# Altium PCB GameBoard_V1I1.PcbDoc (part 6 of 22)
Units mil, origin at the board's own origin, x right, y up, seen from the top; angles counter-clockwise.
Board outline 7165.35 x 2814.96 mil, 12 copper layers (L1, L2, L3, L4, L5 (PWR), L6 (PWR), L7 (PWR), L8 (PWR), L9, L10, L11, L12), stack 61.575 mil thick; 1551 components, 1072 nets, 5467 pads, 3785 vias.
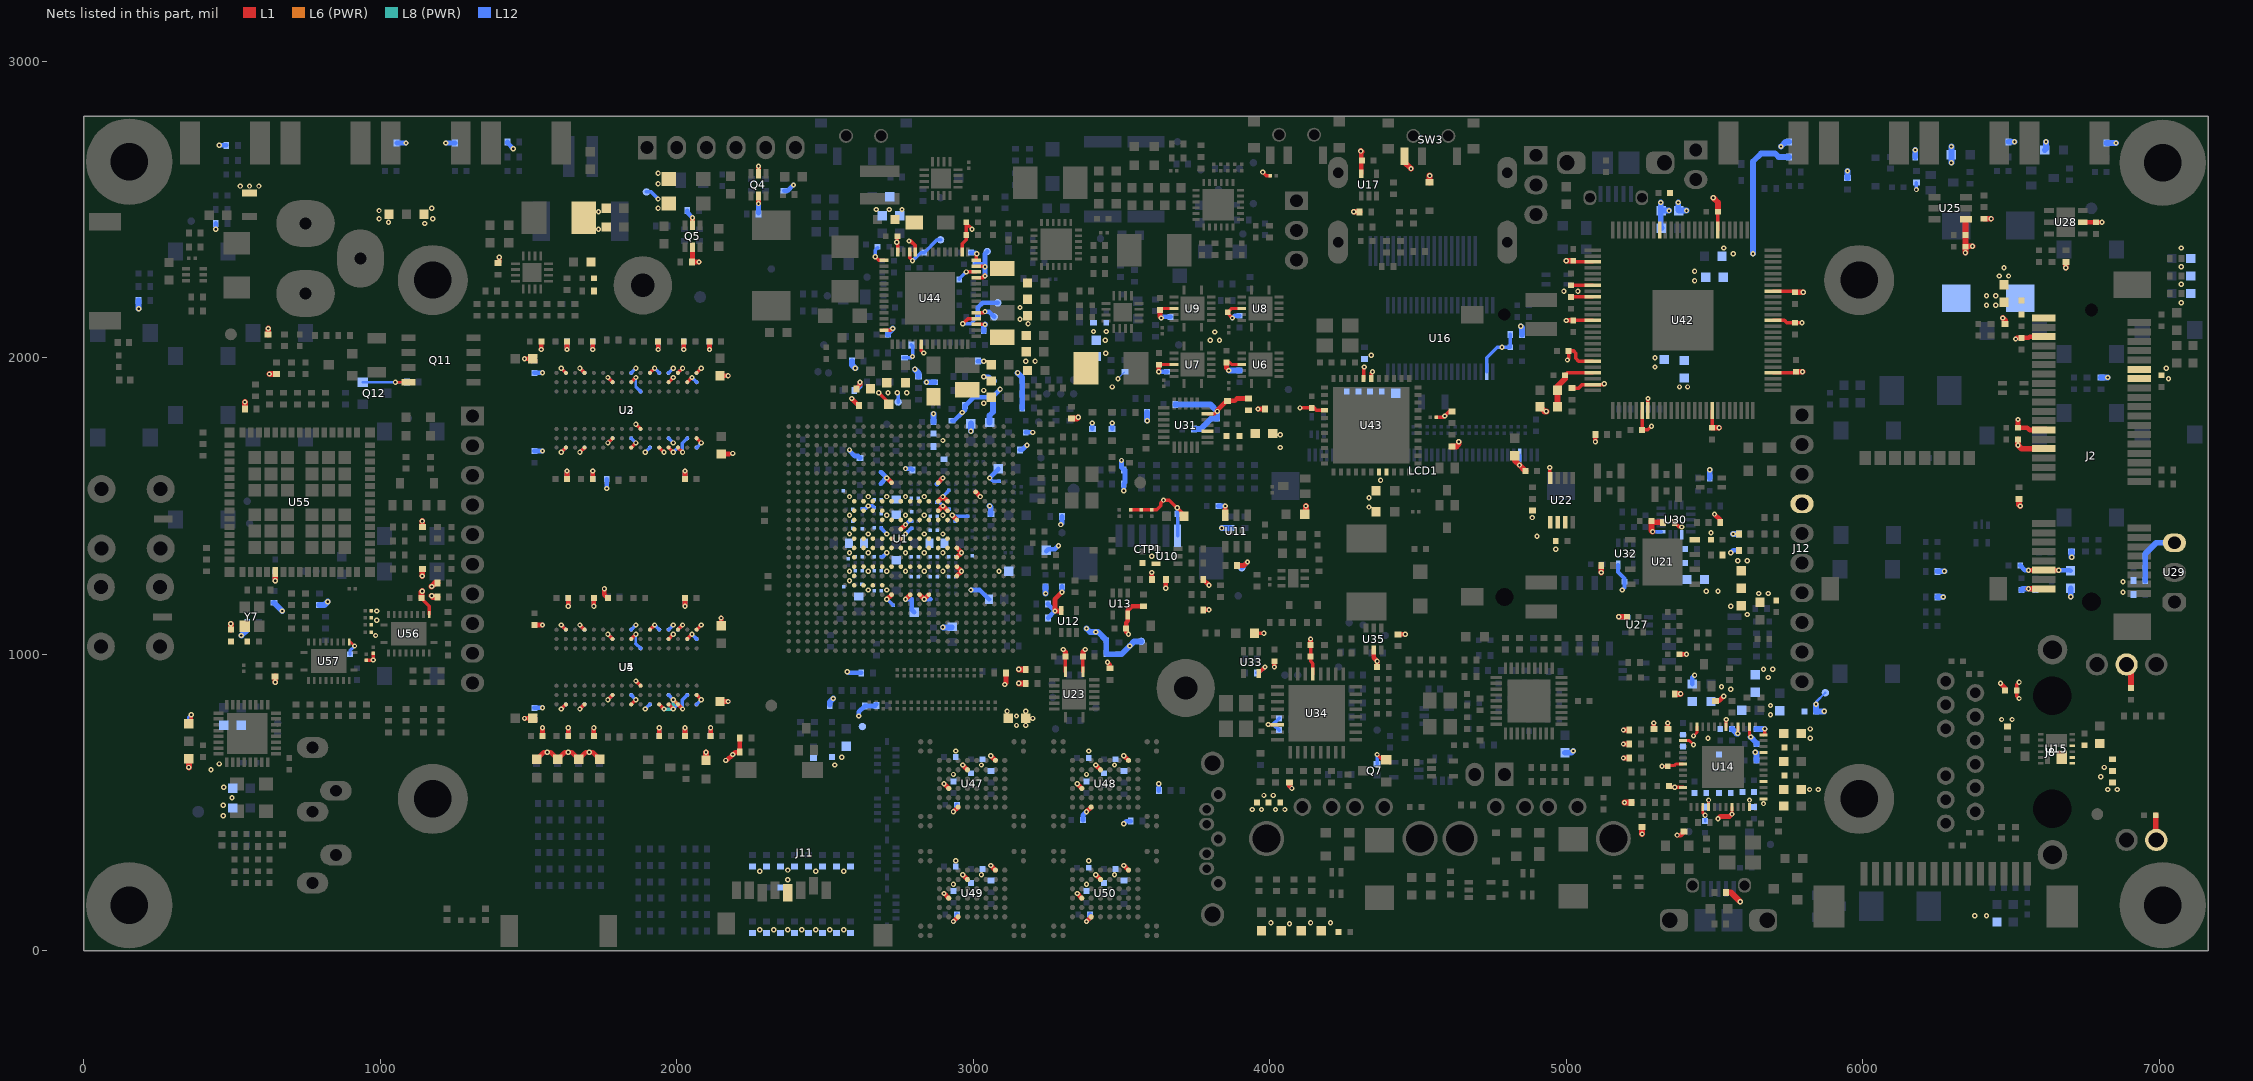
[diagram p16: the nets of this part, all layers, seen from the top]

## Part data (continued)
U20: "IC AUDIO CODEC STEREO 32-QFN", Manufacturer="Freescale Semiconductor", Operating Temperature="-40°C ~ 85°C", Package / Case="32-VFQFN Exposed Pad", Supplier Device Package="32-QFN Exposed Pad (5x5)", Supplier Part Number 1=SGTL5000XNAA3R2CT-ND, Voltage - Supply, Analog="1.62 V ~ 3.6 V", Voltage - Supply, Digital="1.1 V ~ 2 V, 1.62 V ~ 3.6 V", .Checked PCB=used, .Checked SCH=used, .Creator=MM, Category="Integrated Circuits (ICs)", ComponentLink1Description=http://cache.freescale.com/files/analog/doc/data_sheet/SGTL5000.pdf, ComponentLink1URL=http://cache.freescale.com/files/analog/doc/data_sheet/SGTL5000.pdf, Data Interface="I²C, Serial, SPI™", Dynamic Range, ADCs / DACs (db) Typ=-, Manufacturer Part Number=SGTL5000XNAA3R2, Mounting Type="Surface Mount", Number of ADCs / DACs="1 / 1", Packaging="Cut Tape (CT)", Pricing 1="1=2.66, 10=2.375, 25=2.2324, 100=2.1375, 250=2.04252, 500=1.9, 1000=1.8525 (USD)", Resolution (Bits)=-, RoHS="RoHS Compliant", S/N Ratio, ADCs / DACs (db) Typ="90 / 100", Sigma Delta=No, Stock 1=0, Supplier 1=Digi-Key, Type="Stereo Audio"
U21: "IC FLASH 32MBIT", Manufacturer="Microchip Technology", Operating Temperature="-40°C ~ 85°C", Package / Case="8-WDFN Exposed Pad", Supplier Device Package="8-WDFN (5x6)", Supplier Part Number 1=SST26VF032B-104I/MF-ND, Voltage - Supply="2.7 V ~ 3.6 V", .Checked PCB=used, .Checked SCH=used, .Creator=MM, Category="Integrated Circuits (ICs)", ComponentLink1Description=http://www.microchip.com/mymicrochip/filehandler.aspx?ddocname=en566514, ComponentLink1URL=http://www.microchip.com/mymicrochip/filehandler.aspx?ddocname=en566514, Format - Memory=FLASH, Interface="SQI, SPI", Manufacturer Part Number=SST26VF032B-104I/MF, Memory Size="32M (4M x 8)", Memory Type=FLASH, Packaging=Tube, Pricing 1="1=1.68, 25=1.62, 100=1.56 (USD)", RoHS="RoHS Compliant", Speed=104MHz, Stock 1=417, Supplier 1=Digi-Key
U22: "IC EEPROM 2KBIT 400KHZ 8MSOP", Manufacturer="Rohm Semiconductor", Operating Temperature="-40°C ~ 85°C", Package / Case="8-VSSOP, 8-MSOP (0.110\", 2.80mm Width)", Supplier Device Package=8-MSOP, Supplier Part Number 1=BR24L02FVM-WCT-ND, Voltage - Supply="1.8 V ~ 5.5 V", .Checked PCB=used, .Checked SCH=used, Category="Integrated Circuits (ICs)", ComponentLink1Description=http://www.rohm.com/products/databook/eeprom/pdf/br24l-e.pdf, ComponentLink1URL=http://www.rohm.com/products/databook/eeprom/pdf/br24l-e.pdf, Format - Memory="EEPROMs - Serial", Interface="I²C, 2-Wire Serial", Manufacturer Part Number=BR24L02FVM-WTR, Memory Size="2K (256 x 8)", Memory Type=EEPROM, Packaging="Cut Tape (CT)", Pricing 1="1=0.78, 25=0.602, 100=0.531, 250=0.4602, 500=0.3894, 1000=0.30975 (USD)", RoHS="RoHS Compliant", Speed=400kHz, Stock 1=19923, Supplier 1=Digi-Key
U23: "IC BUS TRANSCVR 4BIT 16QFN", Manufacturer="Texas Instruments", Operating Temperature="-40°C ~ 85°C", Package / Case="16-VFQFN Exposed Pad", Supplier Device Package="16-VQFN (4x4)", Supplier Part Number 1=296-18231-1-ND, Voltage - Supply="1.2 V ~ 3.6 V", .Checked PCB=used, .Checked SCH=used, .Creator=MM, Category="Integrated Circuits (ICs)", ComponentLink1Description=http://www.ti.com/lit/ds/symlink/sn74avc4t245.pdf, ComponentLink1URL=http://www.ti.com/lit/ds/symlink/sn74avc4t245.pdf, Data Rate=380Mbps, Differential - Input:Output=No/No, Input Type=Voltage, Logic Function="Translator, Bidirectional, 3-State", Manufacturer Part Number=SN74AVC4T245RGYR, Mounting Type="Surface Mount", Number of Channels=2, Number of Outputs/Channel=2, Output Type=Voltage, Packaging="Cut Tape (CT)", Pricing 1="1=1.15, 10=0.924, 100=0.71, 500=0.548, 1000=0.495 (USD)", Propagation Delay (Max)=2.9ns, RoHS="RoHS Compliant", Stock 1=17293, Supplier 1=Digi-Key
U25: "IC DIGITAL TEMP SENSOR SOT23-6", Manufacturer="Texas Instruments", Manufacturer Part Number=TMP101NA/3K, Operating Temperature="-55°C ~ 125°C", Package / Case=SOT-23-6, Supplier Part Number 1=296-27725-1-ND, Voltage - Supply="2.7 V ~ 5.5 V", .Checked PCB=used, .Checked SCH=used, Accuracy=±3°C(Max), Category="Integrated Circuits (ICs)", ComponentLink1Description=http://www.ti.com/lit/ds/symlink/tmp100.pdf, ComponentLink1URL=http://www.ti.com/lit/ds/symlink/tmp100.pdf, Function="Temp Monitoring System (Sensor)", Mounting Type="Surface Mount", Output Alarm=Yes, Output Fan=No, Output Type=I²C™/SMBus™, Packaging="Cut Tape (CT)", Pricing 1="1=2.55, 10=2.304, 25=2.064, 100=1.856, 250=1.648, 500=1.44, 1000=1.192 (USD)", RoHS="RoHS Compliant", Sensing Temperature="-55°C ~ 125°C", Sensor Type=Internal, Stock 1=3233, Supplier 1=Digi-Key, Supplier Device Package=SOT-23-6, Topology="ADC (Sigma Delta), Register Bank"
U26: library part TJA1040T/CM,118, "IC TRANSCEIVER CAN 8SOIC", Manufacturer="NXP Semiconductors", Operating Temperature=-, Package / Case="8-SOIC (0.154\", 3.90mm Width)", Supplier Device Package=8-SO, Supplier Part Number 1=568-10289-1-ND, Voltage - Supply="4.75 V ~ 5.25 V", .Checked PCB=used, .Checked SCH=used, .Creator=MM, Category="Integrated Circuits (ICs)", ComponentLink1Description=http://www.nxp.com/documents/data_sheet/TJA1040.pdf, ComponentLink1URL=http://www.nxp.com/documents/data_sheet/TJA1040.pdf, Data Rate=-, Duplex=Half, Manufacturer Part Number=TJA1040T/CM,118, Mounting Type="Surface Mount", Number of Drivers/Receivers=1/1, Packaging="Cut Tape (CT)", Pricing 1="1=1.32, 10=1.169, 25=1.0552, 100=0.9233, 250=0.80976, 500=0.71814, 1000=0.56792 (USD)", Protocol=CAN, Receiver Hysteresis=70mV, RoHS="RoHS Compliant", Stock 1=2927, Supplier 1=Digi-Key, Type=Transceiver
U28: "SENSIRION - SHT21 - SENSOR, HUMIDITY & TEMP, 3X3MM, 2%", Capacitance=-, Manufacturer=SENSIRION, Operating Temperature Max=125, Operating Temperature Min=-40, Supplier Part Number 1=1649-1005-6-ND, Supply Voltage Max=3.6, Supply Voltage Min=2.1, .Checked PCB=used, .Checked SCH=used, .Creator=MM, Category="Integrated Circuits (ICs)", ComponentLink1Description=http://www.farnell.com/datasheets/1780639.pdf, ComponentLink1URL=http://www.farnell.com/datasheets/1780639.pdf, ComponentLink2Description=http://www.farnell.com/cad/1670197.zip, ComponentLink2URL=http://www.farnell.com/cad/1670197.zip, Humidity Range="0% to 100", Manufacturer Part Number=SHT21, MSL="MSL 1 - Unlimited<!--FANDB--><div class=\"features-and-benefits-container\"></div>", Response Time=5, RoHS=YES, Sensing Accuracy=2%, Sensitivity="± 1%", Sensor Output1=Digital, Sensor Terminals=SMD, Supplier 1=Digi-Key
U29: "IC IR RCVR MOD 38KHZ DOME AXIAL", B.P.F. Center Frequency=38.0kHz, Current - Supply=450µA, Manufacturer="Vishay Semiconductor Opto Division", Supplier Part Number 1=751-1227-ND, Voltage - Supply="2.5 V ~ 5.5 V", .Checked PCB=used, .Checked SCH=used, .Creator=MM, Category="Sensors, Transducers", ComponentLink1Description=http://www.vishay.com/docs/82491/tsop382.pdf, ComponentLink1URL=http://www.vishay.com/docs/82491/tsop382.pdf, Manufacturer Part Number=TSOP38238, Mounting Type="Through Hole", Orientation="Side View", Pricing 1="1=1.12, 10=0.878, 25=0.756, 50=0.6548, 100=0.594, 250=0.54, 500=0.4995, 1000=0.4455, 2500=0.432 (USD)", RoHS="RoHS Compliant", Sensing Distance=45m, Stock 1=4083, Supplier 1=Digi-Key
U30: "SENSOR XTRINSIC 6-AXIS QFN", Manufacturer="Freescale Semiconductor", Supplier Part Number 1=FXOS8700CQR1CT-ND, .Checked PCB=used, .Checked SCH=used, .Creator=MM, Category="Sensors, Transducers", ComponentLink1Description=http://cache.freescale.com/files/sensors/doc/data_sheet/FXOS8700CQ.pdf, ComponentLink1URL=http://cache.freescale.com/files/sensors/doc/data_sheet/FXOS8700CQ.pdf, Manufacturer Part Number=FXOS8700CQR1, Output Type="I²C, SPI", Pricing 1="1=2.63, 10=2.35, 25=2.2092, 100=2.115, 250=2.021, 500=1.88 (USD)", RoHS="RoHS Compliant", Sensor Type="Accelerometer, Magnetometer, 3 Axis", Stock 1=6201, Supplier 1=Digi-Key, Supplier 2=Mouser, Supplier Part Number 2=841-FXOS8700CQR1
U31: "GYROSCOPE 3-AXIS 24QFN", Current - Supply=2.7mA, Manufacturer="Freescale Semiconductor", Operating Temperature="-40°C ~ 85°C", Package / Case="24-TFQFN Exposed Pad", Supplier Device Package="24-QFN (4x4)", Supplier Part Number 1=FXAS21002CQR1CT-ND, Voltage - Supply="1.95 V ~ 3.6 V", .Checked PCB=used, .Checked SCH=used, .Creator=MM, Category="Sensors, Transducers", ComponentLink1Description=http://cache.freescale.com/files/sensors/doc/data_sheet/FXAS21002.pdf, ComponentLink1URL=http://cache.freescale.com/files/sensors/doc/data_sheet/FXAS21002.pdf, Manufacturer Part Number=FXAS21002CQR1, Output Type="I²C, SPI", Pricing 1="1=3.56, 10=3.175, 25=2.9844, 100=2.8575, 250=2.73052, 500=2.54 (USD)", Range °/s="±250°/s, ±500°/s, ±1000°/s, ±2000°/s", RoHS="RoHS Compliant", Sensitivity="0.0078°/s/LSB, 0.0156°/s/LSB, 0.0312°/s/LSB, 0.0625°/s/LSB", Stock 1=1703, Supplier 1=Digi-Key, Typical Bandwidth=400Hz
U32: "IC SGL SCHMT-TRIG INVERT SC70-5", Current - Output High, Low="32mA, 32mA", Current - Quiescent (Max)=10µA, Manufacturer="Texas Instruments", Operating Temperature="-40°C ~ 85°C", Package / Case="5-TSSOP, SC-70-5, SOT-353", Supplier Device Package=SC-70-5, Supplier Part Number 1=296-11608-1-ND, Voltage - Supply="1.65 V ~ 5.5 V", .Checked PCB=used, .Checked SCH=used, .Creator=MM, Category="Integrated Circuits (ICs)", ComponentLink1Description=http://www.ti.com/lit/ds/symlink/sn74lvc1g14.pdf, ComponentLink1URL=http://www.ti.com/lit/ds/symlink/sn74lvc1g14.pdf, Features="Schmitt Trigger", Logic Level - High="1.16 V ~ 3.33 V", Logic Level - Low="0.39 V ~ 1.87 V", Logic Type=Inverter, Manufacturer Part Number=SN74LVC1G14DCKR, Max Propagation Delay @ V, Max CL="5ns @ 5V, 50pF", Mounting Type="Surface Mount", Number of Circuits=1, Number of Inputs=1, Packaging="Cut Tape (CT)", Pricing 1="1=0.49, 10=0.284, 100=0.134, 1000=0.103 (USD)", RoHS="RoHS Compliant", Stock 1=49135, Supplier 1=Digi-Key
U34: library part LPC1345FHN33,551, "IC MCU ARM 32KB FLASH 32HVQFN", Manufacturer="NXP Semiconductors", Operating Temperature="-40°C ~ 85°C", Package / Case="32-VQFN Exposed Pad", Supplier Device Package="32-HVQFN (7x7)", Voltage - Supply (Vcc/Vdd)="2 V ~ 3.6 V", .Checked PCB=used, .Checked SCH=used, .Creator=MM, Category="Integrated Circuits (ICs)", ComponentLink1Description=http://www.nxp.com/documents/data_sheet/LPC1315_16_17_45_46_47.pdf, ComponentLink1URL=http://www.nxp.com/documents/data_sheet/LPC1315_16_17_45_46_47.pdf, Connectivity="I²C, Microwire, SPI, SSI, SSP, UART/USART, USB", Core Processor="ARM® Cortex®-M3", Core Size=32-Bit, Data Converters="A/D 8x12b", EEPROM Size="2K x 8", Manufacturer Part Number=LPC1345FHN33,551, Number of I/O=26, Oscillator Type=Internal, Packaging=Tray, Peripherals="Brown-out Detect/Reset, POR, WDT", Pricing 1="260=3.2745 (USD)", Program Memory Size="32KB (32K x 8)", Program Memory Type=FLASH, RAM Size="10K x 8", RoHS="RoHS Compliant", Speed=72MHz, Stock 1=0, Supplier 1=Digi-Key, Supplier 2=Mouser, Supplier Part Number 1=LPC1345FHN33,551-ND, Supplier Part Number 2=771-LPC1345FHN33,551
U35: "IC SWITCH SPDT SC70-6", Current - Supply=2.5µA, Manufacturer="Texas Instruments", On-State Resistance="10 Ohm", Operating Temperature="-40°C ~ 85°C", Package / Case="6-TSSOP, SC-88, SOT-363", Supplier Device Package=SC-70-6, Supplier Part Number 1=296-17588-1-ND, Voltage - Supply, Single/Dual (±)="1.65 V ~ 5.5 V", Voltage Supply Source="Single Supply", .Checked PCB=used, .Checked SCH=used, .Creator=MM, Category="Integrated Circuits (ICs)", Circuit="1 x SPDT", ComponentLink1Description=http://www.ti.com/lit/ds/symlink/ts5a3157.pdf, ComponentLink1URL=http://www.ti.com/lit/ds/symlink/ts5a3157.pdf, Function=Switch, Manufacturer Part Number=TS5A3157DCKR, Mounting Type="Surface Mount", Packaging="Cut Tape (CT)", Pricing 1="1=0.42, 10=0.325, 100=0.171, 1000=0.153 (USD)", RoHS="RoHS Compliant", Stock 1=2204, Supplier 1=Digi-Key
U36 U37: "IC REG BUCK SYNC ADJ 4A 16TQFN", Current - Output=4A, Frequency - Switching="490kHz ~ 4.2MHz", Manufacturer=Intersil, Operating Temperature="-40°C ~ 85°C", Package / Case="16-WFQFN Exposed Pad", Supplier Device Package="16-TQFN (3x3)", Supplier Part Number 1=ISL8024AIRTAJZ-T7ACT-ND, Voltage - Input="2.7 V ~ 5.5 V", Voltage - Output="0.6 V ~ 5.5 V", .Checked PCB=used, .Checked SCH=used, .Creator=MM, Category="Integrated Circuits (ICs)", ComponentLink1Description=http://www.intersil.com/content/dam/Intersil/documents/fn78/fn7812.pdf, ComponentLink1URL=http://www.intersil.com/content/dam/Intersil/documents/fn78/fn7812.pdf, Manufacturer Part Number=ISL8024AIRTAJZ-T7A, Mounting Type="Surface Mount", Number of Outputs=1, Output Type=Adjustable, Packaging="Cut Tape (CT)", Pricing 1="1=4.61, 25=3.63, 100=3.08 (USD)", RoHS="RoHS Compliant", Stock 1=440, Supplier 1=Digi-Key, Synchronous Rectifier=Yes, Type="Step-Down (Buck)"
U38: "IC REG BUCK 5V 3A SYNC 16QFN", Base Part Number=TPS62133, Current - Output=3A, Frequency - Switching=2.5MHz, Manufacturer="Texas Instruments", Operating Temperature="-40°C ~ 85°C (TA)", Package / Case="16-VFQFN Exposed Pad", Supplier Device Package="16-QFN (3x3)", Supplier Part Number 1=296-29937-1-ND, Voltage - Input (Max)=17V, Voltage - Input (Min)=3V, Voltage - Output (Max)=-, Voltage - Output (Min/Fixed)=5V, .Creator=MB, Category="Integrated Circuits (ICs)", ComponentLink1Description=http://www.ti.com/lit/ds/symlink/tps62130.pdf, ComponentLink1URL=http://www.ti.com/lit/ds/symlink/tps62130.pdf, Function=Step-Down, Manufacturer Part Number=TPS62133RGTR, Mounting Type="Surface Mount", Number of Outputs=1, Output Configuration=Positive, Output Type=Fixed, Packaging="Cut Tape (CT)", Part Status=Active, Pricing 1="1=2.35, 10=2.113, 100=1.6981, 500=1.39514, 1000=1.15597 (USD)", RoHS="RoHS Compliant", Stock 1=20215, Supplier 1=Digi-Key, Synchronous Rectifier=Yes, Topology=Buck
U39 U40: "IC BUFF CMOS LVL/SFTR N-I SOT353", Current - Output High, Low="8mA, 8mA", Manufacturer="ON Semiconductor", Operating Temperature="-55°C ~ 125°C", Package / Case="5-TSSOP, SC-70-5, SOT-353", Supplier Device Package=SC-70, Supplier Part Number 1=M74VHC1GT126DF1GOSCT-ND, Voltage - Supply="3 V ~ 5.5 V", .Checked PCB=used, .Checked SCH=used, .Creator=MM, Category="Integrated Circuits (ICs)", ComponentLink1Description=http://www.onsemi.com/pub_link/Collateral/MC74VHC1GT126-D.PDF, ComponentLink1URL=http://www.onsemi.com/pub_link/Collateral/MC74VHC1GT126-D.PDF, Logic Type="Buffer/Line Driver, Non-Inverting", Manufacturer Part Number=M74VHC1GT126DF1G, Mounting Type="Surface Mount", Number of Bits per Element=1, Number of Elements=1, Packaging="Cut Tape (CT)", Pricing 1="1=0.36, 10=0.326, 25=0.2344, 100=0.1824, 250=0.1146, 500=0.09766, 1000=0.06654 (USD)", RoHS="RoHS Compliant", Stock 1=6821, Supplier 1=Digi-Key
U41: "IC LED DRVR RGLTR DIM 1.2A 6SON", Base Part Number=TPS61165, Current - Output / Channel="1.2A (Switch)", Frequency=1.2MHz, Manufacturer="Texas Instruments", Operating Temperature="-40°C ~ 85°C (TA)", Package / Case="6-WDFN Exposed Pad", Supplier Device Package="6-SON (2x2)", Supplier Part Number 1=296-22944-1-ND, Voltage - Output="3 V ~ 38 V", Voltage - Supply (Max)=18V, Voltage - Supply (Min)=3V, .Creator=MB, Applications="Automotive, Backlight", Category="Integrated Circuits (ICs)", ComponentLink1Description=http://www.ti.com/lit/ds/symlink/tps61165.pdf, ComponentLink1URL=http://www.ti.com/lit/ds/symlink/tps61165.pdf, Dimming=PWM, Internal Switch(s)=Yes, Manufacturer Part Number=TPS61165DRVR, Mounting Type="Surface Mount", Number of Outputs=1, Packaging="Cut Tape (CT)", Part Status=Active, Pricing 1="1=1.87, 10=1.681, 100=1.3514, 500=1.11034, 1000=0.92 (USD)", RoHS="RoHS Compliant", Stock 1=17685, Supplier 1=Digi-Key, Topology="Step-Up (Boost)", Type="DC DC Regulator"
U42: "Digital Receiver 3RX 100-Pin HTQFP EP T/R", Dual Supply Voltage=3.3V, Manufacturer="Texas Instruments", Max Dual Supply Voltage=3.6V, Max Operating Temperature=85°C, Min Dual Supply Voltage=3V, Min Operating Temperature=-40°C, Nominal Supply Current=370mA, Package Quantity=900, Supplier Part Number 1=595-TFP401AIPZPRQ1, .Creator=MB, ComponentLink1Description=https://datasheet.ciiva.com/6634/slds190-6634593.pdf, ComponentLink1URL=https://datasheet.ciiva.com/6634/slds190-6634593.pdf, ComponentLink2Description=https://datasheet.ciiva.com/26913/getdatasheetpartid-720456-26913091.pdf, ComponentLink2URL=https://datasheet.ciiva.com/26913/getdatasheetpartid-720456-26913091.pdf, ComponentLink3Description=https://datasheet.ciiva.com/24101/slds190-260996-24101855.pdf, ComponentLink3URL=https://datasheet.ciiva.com/24101/slds190-260996-24101855.pdf, Lead Free="Lead Free", Manufacturer Part Number=TFP401AIPZPRQ1, Mount="Surface Mount", Number of Pins=100, Packaging="Tape and Reel", Pricing 1="1=9.68, 10=8.75, 50=8.1, 100=7.24, 1000=5.49, 10000=5.49 (USD)", Radiation Hardening=No, Stock 1=0, Supplier 1=Mouser
U43: "IC MCU 8BIT 32KB FLASH 44QFN", Case/Package=QFN, Frequency=48MHz, Manufacturer=Microchip, Max Operating Temperature=85°C, Max Power Dissipation=1W, Max Supply Voltage=5.5V, Min Operating Temperature=-40°C, Min Supply Voltage=4.2V, Package Quantity=45, Supplier Part Number 1=PIC18F4550-I/ML-ND, .Creator=MB, Access Time=48us, ComponentLink1Description=https://datasheet.ciiva.com/9244/39632d-9244677.pdf, ComponentLink1URL=https://datasheet.ciiva.com/9244/39632d-9244677.pdf, ComponentLink2Description=https://datasheet.ciiva.com/1494/39632e-1494715.pdf, ComponentLink2URL=https://datasheet.ciiva.com/1494/39632e-1494715.pdf, ComponentLink3Description=https://datasheet.ciiva.com/7774/39632e-7774431.pdf, ComponentLink3URL=https://datasheet.ciiva.com/7774/39632e-7774431.pdf, Core Architecture=PIC, Data Bus Width=8b, Density=32KB, Height=0.95mm, Interface=I2C,SPI,USB,UART,USART, Lead Free="Lead Free", Length=8mm, Manufacturer Part Number=PIC18F4550-I/ML, Max Frequency=48MHz, Memory Size=32KB, Memory Type=FLASH, Mount="Surface Mount", Number of ADC Channels=13, Number of Bits=8, Number of I2C Channels=1, Number of I/Os=35, Number of Inputs=35, Number of Outputs=34, Number of Pins=44, Number of Programmable I/O=35, Number of PWM Channels=1, Number of SPI Channels=1, Number of Timers/Counters=4, Number of UART Channels=1, Number of USB Channels=1, Oscillator Type=Internal, Packaging=Rail/Tube, Peripherals="Brown-out Detect/Reset,POR,PWM,WDT,HLVD,I2C", Pricing 1="1=4.73, 25=4.6248, 100=4.5114 (USD)", Radiation Hardening=No, RAM Size=2KB, REACH SVHC="No SVHC", Stock 1=752, Supplier 1=Digi-Key, Watchdog Timer=Yes, Width=8mm
U44: "IC PWR MGMT I.MX6 56QFN", Manufacturer="Freescale Semiconductor", Operating Temperature="-40°C ~ 85°C", Package / Case="56-VFQFN Exposed Pad", Supplier Device Package="56-QFN (8x8)", Supplier Part Number 1=MMPF0100NPAEP-ND, Voltage - Input="2.8 V ~ 4.5 V", Voltage - Output=Multiple, .Checked PCB=used, .Checked SCH=used, .Creator=MM, Applications="Converter, i.MX6", Category="Integrated Circuits (ICs)", ComponentLink1Description=http://cache.freescale.com/files/analog/doc/data_sheet/MMPF0100.pdf, ComponentLink1URL=http://cache.freescale.com/files/analog/doc/data_sheet/MMPF0100.pdf, Manufacturer Part Number=MMPF0100NPAEP, Mounting Type="Surface Mount", Number of Outputs=12, Packaging=Tray, Pricing 1="260=4.017 (USD)", RoHS="RoHS Compliant", Stock 1=0, Supplier 1=Digi-Key, Supplier 2=Arrow, Supplier Part Number 2=MMPF0100NPAEP
U45: "IC LI-ION CHARGE MGMT 24WQFN", Battery Pack Voltage=-, Charge Current - Max=5A, Manufacturer="Texas Instruments", Operating Temperature="-40°C ~ 85°C (TA)", Package / Case="24-WFQFN Exposed Pad", Supplier Device Package="24-WQFN (4x4)", Supplier Part Number 1=296-46074-1-ND, Voltage - Supply (Max)=14V, .Creator=MB, Battery Chemistry=Lithium-Ion/Polymer, Category="Integrated Circuits (ICs)", ComponentLink1Description=http://www.ti.com/lit/ds/symlink/bq25890.pdf, ComponentLink1URL=http://www.ti.com/lit/ds/symlink/bq25890.pdf, ComponentLink2Description=http://www.ti.com/lit/ds/symlink/bq25898c.pdf, ComponentLink2URL=http://www.ti.com/lit/ds/symlink/bq25898c.pdf, Current - Charging=-, Fault Protection="Over Current, Over Temperature", Interface="I²C, USB", Manufacturer Part Number=BQ25890RTWR, Number of Cells=1, Packaging="Cut Tape (CT)", Part Status=Active, Pricing 1="1=3.6, 10=3.236, 100=2.6512, 500=2.25694, 1000=1.90344 (USD)", Pricing 2="1=3.87, 10=3.474, 100=2.846 (USD)", Programmable Features=-, RoHS="RoHS Compliant", Stock 1=4130, Stock 2=565, Supplier 1=Digi-Key, Supplier 2=Digi-Key, Supplier Part Number 2=296-44134-1-ND
U46: "IC LI-ION CHARGE MGMT 24WQFN", Manufacturer="Texas Instruments", Max Operating Temperature=85°C, Min Operating Temperature=-40°C, Operating Supply Voltage=14V, Output Current=5A, Output Voltage=4.6V, Supplier Part Number 1=296-46075-6-ND, ComponentLink1Description=http://www.ti.com/lit/gpn/BQ25892, ComponentLink1URL=http://www.ti.com/lit/gpn/BQ25892, ComponentLink2Description=http://www.ti.com/lit/ds/symlink/bq25892.pdf, ComponentLink2URL=http://www.ti.com/lit/ds/symlink/bq25892.pdf, Contact Plating=Nickel,Gold, Lead Free="Lead Free", Manufacturer Part Number=BQ25892RTWR, Mount="Surface Mount", Number of Cells=1, Pricing 1="1=3.6, 10=3.236, 100=2.6512, 500=2.25694, 1000=1.90344 (USD)", Stock 1=1514, Supplier 1=Digi-Key
U47 U48 U49 U50: "IC FLASH MEM 4GBIT NAND 63VFBGA", Manufacturer=Macronix, Max Operating Temperature=85°C, Min Operating Temperature=-40°C, Supplier Part Number 1=1092-1167-ND, ComponentLink1Description="Data Sheet", ComponentLink1URL=http://www.macronix.com/Lists/Datasheet/Attachments/6517/MX30LF2G18AC,%203V,%202Gb,%20v1.4.pdf, Interface=Parallel, Manufacturer Part Number=MX30LF4G18AC-XKI, Memory Type=NAND,FLASH, Number of Pins=63, Packaging=Tray, Supplier 1=Digi-Key
U52 U58: "IC SINGLE INVERTER GATE SOT353", Case/Package=SOT-353, High Level Output Current=-8mA, Low Level Output Current=8mA, Manufacturer=Diodes, Max Operating Temperature=125°C, Max Supply Voltage=5.5V, Min Operating Temperature=-40°C, Min Supply Voltage=4.5V, Operating Supply Voltage=5V, Package Quantity=3000, Quiescent Current=1uA, Supplier Part Number 1=74AHCT1G04SE-7DIDKR-ND, .Creator=MB, ComponentLink1Description=https://datasheet.ciiva.com/26856/getdatasheetpartid-746016-26856226.pdf, ComponentLink1URL=https://datasheet.ciiva.com/26856/getdatasheetpartid-746016-26856226.pdf, ComponentLink2Description=https://datasheet.ciiva.com/28428/74ahct1g04-28428437.pdf, ComponentLink2URL=https://datasheet.ciiva.com/28428/74ahct1g04-28428437.pdf, ComponentLink3Description=https://datasheet.ciiva.com/12256/74ahct1g04-83266-12256775.pdf, ComponentLink3URL=https://datasheet.ciiva.com/12256/74ahct1g04-83266-12256775.pdf, ComponentLink4Description=https://datasheet.ciiva.com/1862/74ahct1g04-1862426.pdf, ComponentLink4URL=https://datasheet.ciiva.com/1862/74ahct1g04-1862426.pdf, ComponentLink5Description=https://datasheet.ciiva.com/1862/74ahct1g04-1862427.pdf, ComponentLink5URL=https://datasheet.ciiva.com/1862/74ahct1g04-1862427.pdf, ComponentLink6Description=https://datasheet.ciiva.com/1862/74ahct1g04-1862428.pdf, ComponentLink6URL=https://datasheet.ciiva.com/1862/74ahct1g04-1862428.pdf, ComponentLink7Description=https://datasheet.ciiva.com/8248/74ahct1g04-8248604.pdf, ComponentLink7URL=https://datasheet.ciiva.com/8248/74ahct1g04-8248604.pdf, ComponentLink8Description=https://datasheet.ciiva.com/16406/74ahc1g04-16406796.pdf, ComponentLink8URL=https://datasheet.ciiva.com/16406/74ahc1g04-16406796.pdf, ComponentLink9Description=https://datasheet.ciiva.com/1154/74ahct1g04-1154302.pdf, ComponentLink9URL=https://datasheet.ciiva.com/1154/74ahct1g04-1154302.pdf, Contact Plating=Tin,Matte, Height=1mm, Lead Free="Lead Free", Length=2.2mm, Logic Function=Inverter, Manufacturer Part Number=74AHCT1G04SE-7, Mount="Surface Mount", Number of Circuits=1, Number of Elements=1, Number of Inputs=1, Number of Pins=5, Output Current=8mA, Packaging="Tape and Reel", Pricing 1="1=0.25, 10=0.205, 100=0.1086, 500=0.07148, 1000=0.0486 (USD)", Propagation Delay=7.7ns, Radiation Hardening=No, REACH SVHC="No SVHC", Schmitt Trigger Input=No, Stock 1=6017, Supplier 1=Digi-Key, Turn-On Delay Time=10.05ns, Width=1.35mm
U53: "IC VREF SHUNT ADJ SOT23-3", Current - Cathode=700µA, Current - Output=100mA, Current - Supply=-, Manufacturer="Texas Instruments", Operating Temperature="-40°C ~ 125°C (TA)", Package / Case="TO-236-3, SC-59, SOT-23-3", Supplier Device Package=SOT-23-3, Supplier Part Number 1=296-18864-1-ND, Tolerance=±1%, Voltage - Output (Max)=36V, Voltage - Output (Min/Fixed)=2.495V, .Checked PCB=used, .Checked SCH=used, .Creator=MM, Category="Integrated Circuits (ICs)", ComponentLink1Description=http://www.ti.com/lit/ds/symlink/tl431a.pdf, ComponentLink1URL=http://www.ti.com/lit/ds/symlink/tl431a.pdf, Manufacturer Part Number=TL431AQDBZR, Mounting Type="Surface Mount", Noise - 0.1Hz to 10Hz=-, Noise - 10Hz to 10kHz=-, Output Type=Adjustable, Packaging="Cut Tape (CT)", Pricing 1="1=0.48, 10=0.323, 100=0.151, 1000=0.131 (USD)", Reference Type=Shunt, RoHS="RoHS Compliant", Stock 1=14090, Supplier 1=Digi-Key, Temperature Coefficient=-, Voltage - Input=-
U54: "1-A High Efficiency Step-Down Converter in SOT Package, DRL0006A (SOT-OTHER-6)", Alternate Manufacturer="Texas Instruments", Alternate PartNumber=TLV62568DRLT, Case/Package=0201, Case Code (Metric)=0603, Manufacturer Part Number=RC0201FR-07200KL, Max Operating Temperature=125°C, Max Power Dissipation=50mW, Min Operating Temperature=-55°C, Package Quantity=10000, Resistance=200kR, Supplier Part Number 1=296-48708-6-ND, Temperature Coefficient=200ppm/°C, Tolerance=1%, Voltage Rating=25V, Case Code (Imperial)=0201, ComponentLink1Description="Datasheet Link", ComponentLink1URL=http://www.ti.com/lit/ds/symlink/tlv62568.pdf, ComponentLink2Description=https://datasheet.ciiva.com/14985/pyu-r-int-thick-7-14985445.pdf, ComponentLink2URL=https://datasheet.ciiva.com/14985/pyu-r-int-thick-7-14985445.pdf, Composition="Thick Film", CompType=IC, Height=0.01inch, LatestRevisionDate=2017-05-22, Lead Free="Lead Free", Length=0.024inch, Manufacturer="Texas Instruments", MountType=SMT, Number of Terminations=2, PackageDescription=SOT-OTHER-6, PackageReference=DRL0006A, Packaging="Tape and Reel", PartNumber=TLV62568DRLR, Power Rating=50mW, Publisher="Texas Instruments", RoHS=Y, SizeArea_mm2=2.56, SizeAreaWB_mm2=6.76, SizeX_mm=1.6, SizeY_mm=1.6, SizeZ_mm=0.6, Supplier 1=Digi-Key, SymbolCreator=a0411947, SymbolVersion=2016-08-27, Termination=SMD/SMT, U/M=EA, Width=0.012inch
U55: "RF TXRX MOD BLUETOOTH/WIFI CHIP", Manufacturer="Texas Instruments", Supplier Part Number 1=296-44790-6-ND, ComponentLink1Description="Design Guide", ComponentLink1URL=http://www.ti.com/lit/ug/swru382a/swru382a.pdf, ComponentLink2Description="Data Sheet", ComponentLink2URL=http://www.ti.com/lit/ds/symlink/wl1837mod.pdf, PartNumber=WL1837MODGIMOCR, RefDes=RefDes, Supplier 1=Digi-Key, Type=TYPE
U56 U57: "8-Bit Bidirectional Voltage-Level Shifter For Open-Drain And Push-Pull Application, RGY0020A (VQFN-20)", Alternate Manufacturer="Texas Instruments", Supplier Part Number 1=296-24806-6-ND, ComponentLink1Description="Datasheet Link", ComponentLink1URL=http://www.ti.com/lit/ds/symlink/txs0108e.pdf, CompType=IC, Green_EU RoHS=Passed, Green_EU RoHS-2=Passed, Green_Lifecycle=Active, Green_REACh=Passed, LatestRevisionDate=2017-06-05, Manufacturer="Texas Instruments", MountType=SMT, PackageDescription=VQFN-20, PackageReference=RGY0020A, PartNumber=TXS0108ERGYR, Publisher="Texas Instruments", RoHS=Y, SizeArea_mm2=15.75, SizeAreaWB_mm2=24.75, SizeX_mm=3.5, SizeY_mm=4.5, SizeZ_mm=1, Supplier 1=Digi-Key, SymbolCreator=a0411947, SymbolVersion=2016-1-28, U/M=EA
Y1 Y4: library part ABM8-24.000MHZ-R60-D-1-W-T, "CRYSTAL 24MHZ 18PF SMD", ESR (Equivalent Series Resistance)="50 Ohm", Frequency Stability=±25ppm, Frequency Tolerance=±10ppm, Load Capacitance=18pF, Manufacturer="Abracon Corporation", Operating Mode=Fundamental, Operating Temperature="-40°C ~ 85°C", Package / Case="4-SMD, No Lead (DFN, LCC)", Ratings=-, Supplier Part Number 1=535-10155-1-ND, .Checked PCB=used, .Checked SCH=used, .Creator=MM, Category="Crystals and Oscillators", ComponentLink1Description=http://www.abracon.com/Resonators/abm8.pdf, ComponentLink1URL=http://www.abracon.com/Resonators/abm8.pdf, Frequency=24MHz, Height="0.031\" (0.80mm)", Manufacturer Part Number=ABM8-24.000MHZ-R60-D-1-W-T, Mounting Type="Surface Mount", Packaging="Cut Tape (CT)", Pricing 1="1=1.42, 10=1.356, 50=1.326, 100=1.134, 500=1.104 (USD)", RoHS="RoHS Compliant", Size / Dimension="0.126\" L x 0.098\" W (3.20mm x 2.50mm)", Stock 1=11496, Supplier 1=Digi-Key, Type="MHz Crystal"
Y2: library part ABS06-32.768KHZ-9-1-T, "CRYSTAL 32.768 KHZ 9.0 PF SMD", Frequency Stability=±10ppm, Load Capacitance=9pF, Manufacturer="Abracon Corporation", Operating Mode=Fundamental, Operating Temperature="-40°C ~ 85°C", Package / Case="2-SMD, No Lead (DFN, LCC)", Supplier Part Number=535-10247-1-ND, .Checked PCB=used, .Checked SCH=used, Category="Crystals and Oscillators", ComponentLink1Description=http://www.abracon.com/Resonators/ABS06.pdf, ComponentLink1URL=http://www.abracon.com/Resonators/ABS06.pdf, Frequency=32.768kHz, Frequency Tolerance=±10ppm, Height="0.024\" (0.60mm)", Manufacturer Part Number=ABS06-32.768KHZ-9-1-T, Mounting Type="Surface Mount", Packaging="Cut Tape (CT)", Price 1k [$]=1.24500, Pricing 1="1=2.81, 10=2.438, 50=2.1376, 100=1.6875, 500=1.425 (USD)", RoHS="RoHS Compliant", Size / Dimension="0.079\" L x 0.047\" W (2.00mm x 1.20mm)", Stock 1=5693, Supplier=Digikey, Supplier 1=Digi-Key, Supplier Part Number 1=535-10247-1-ND, Type="kHz Crystal (Tuning Fork)"
Y3: library part ABM8G-25.000MHZ-18-D2Y-T, "CRYSTAL 25MHZ 18PF SMD", ESR (Equivalent Series Resistance)="60 Ohm", Frequency=25MHz, Frequency Stability=±30ppm, Frequency Tolerance=±20ppm, Load Capacitance=18pF, Manufacturer="Abracon Corporation", Operating Mode=Fundamental, Operating Temperature="-40°C ~ 85°C", Package / Case="4-SMD, No Lead (DFN, LCC)", Ratings=-, Supplier Part Number 1=535-10275-1-ND, .Checked PCB=used, .Checked SCH=used, .Creator=MM, Category="Crystals and Oscillators", ComponentLink1Description=http://www.abracon.com/Resonators/ABM8G.pdf, ComponentLink1URL=http://www.abracon.com/Resonators/ABM8G.pdf, Height="0.039\" (1.00mm)", Manufacturer Part Number=ABM8G-25.000MHZ-18-D2Y-T, Mounting Type="Surface Mount", Packaging="Cut Tape (CT)", Pricing 1="1=1.06, 10=0.944, 50=0.8814, 100=0.78, 500=0.7371 (USD)", RoHS="RoHS Compliant", Size / Dimension="0.126\" L x 0.098\" W (3.20mm x 2.50mm)", Stock 1=25549, Supplier 1=Digi-Key, Type="MHz Crystal"
Y5: "CRYSTAL 12MHZ 12PF SMD", ESR (Equivalent Series Resistance)="100 Ohm", Frequency=12MHz, Frequency Stability=±30ppm, Load Capacitance=12pF, Manufacturer="TXC CORPORATION", Operating Mode=Fundamental, Operating Temperature="-40°C ~ 85°C", Package / Case="4-SMD, No Lead (DFN, LCC)", Ratings=-, Supplier Part Number 1=887-1775-1-ND, .Checked PCB=used, .Checked SCH=used, .Creator=MM, Category="Crystals and Oscillators", ComponentLink1Description=http://www.txccrystal.com/images/pdf/7m.pdf, ComponentLink1URL=http://www.txccrystal.com/images/pdf/7m.pdf, Frequency Tolerance=±30ppm, Height="0.031\" (0.80mm)", Manufacturer Part Number=7M-12.000MAHE-T, Mounting Type="Surface Mount", Packaging="Cut Tape (CT)", Pricing 1="1=0.96, 10=0.847, 50=0.791, 100=0.7, 500=0.6615, 1000=0.553 (USD)", RoHS="RoHS Compliant", Size / Dimension="0.126\" L x 0.098\" W (3.20mm x 2.50mm)", Stock 1=2813, Supplier 1=Digi-Key, Type="MHz Crystal"
Y6: "CRYSTAL 20MHZ 18PF SMD", Frequency Stability=±30ppm, Load Capacitance=18pF, Manufacturer="TXC CORPORATION", Operating Mode=Fundamental, Operating Temperature="-20°C ~ 70°C", Package / Case="4-SMD, No Lead", Ratings=-, Supplier Part Number 1=887-1129-1-ND, .Creator=MB, Category="Crystals, Oscillators, Resonators", ComponentLink1Description=http://www.txccorp.com/download/products/quartz_crystals/2015TXC_7M_17.pdf, ComponentLink1URL=http://www.txccorp.com/download/products/quartz_crystals/2015TXC_7M_17.pdf, Frequency Tolerance=±30ppm, Height - Seated (Max)="0.032\" (0.80mm)", Manufacturer Part Number=7M-20.000MAAJ-T, Mounting Type="Surface Mount", Packaging="Cut Tape (CT)", Part Status=Active, Pricing 1="1=1, 10=0.886, 50=0.8278, 100=0.7315, 500=0.693, 1000=0.5775 (USD)", RoHS="RoHS Compliant", Size / Dimension="0.126\" L x 0.098\" W (3.20mm x 2.50mm)", Stock 1=26185, Supplier 1=Digi-Key, Type="MHz Crystal"
Y7: library part ASDK2-32.768KHZ-LR-T3, "32.768kHz CMOS XO (Standard) Oscillator Surface Mount 1.8V 1.5mA Enable/Disable", Case/Package=SMD/SMT, Frequency Stability=25ppm, Manufacturer=Abracon, Max Operating Temperature=85°C, Max Supply Current=1.5mA, Min Operating Temperature=-40°C, Supplier Part Number 1=535-13597-6-ND, Frequency=32.768kHz, Height=0.037inch, Length=0.098inch, Manufacturer Part Number=ASDK2-32.768KHZ-LR-T3, Mount="Surface Mount", Packaging="Cut Tape", Pricing 1="1=1.39, 10=1.324, 50=1.2936, 100=1.1088, 500=1.078, 1000=0.9086 (USD)", Stock 1=9547, Supplier 1=Digi-Key, Width=0.079inch

## Via types
v1: diameter 17.72, hole 7.87, L1 to L12, 1935 vias
v2: diameter 17.72, hole 7.87, L1 to L12, tented both sides, 995 vias
v3: diameter 10.63, hole 3.94, L1 to L2, 334 vias
v4: diameter 11.81, hole 3.94, L2 to L3, 334 vias
v5: diameter 10.63, hole 3.94, L11 to L12, 94 vias
v6: diameter 11.81, hole 3.94, L10 to L11, 93 vias

## Nets (pads, with @x,y where several pads share a name; then routed paths per layer and width w, separated by ;. In a path a pad name is that pad's centre, name@x,y a point inside that pad or via, vN(x,y) a via of type N, cw(c..) or ccw(c..) an arc to the next point about the centre after c; other vN are vias at no path point)
3V3_AVDD: C378.1 C379.1 C380.1 C381.1 C382.1 FB46.2 U42.82 U42.84 U42.88 U42.95 | length 379.2
  L1 w11.81: v1(5000.49,2125.49) v1@5000.98,2125.98 ; v1(5003.94,1992.13) 5007.87,1996.06 C381.1@5007.87,2022.64 5024.61,2022.64 5032.09,2015.16 5032.09,1997.66 5041.56,1988.19 U42.95@5089.57,1988.19 ; C379.1@5011.81,2244.09 C379.1@5015.75,2244.09 U42.82@5089.57,2244.09 ; C378.1@5015.75,2204.72 U42.84@5089.57,2204.72 ; C380.1@5023.62,2125.98 U42.88@5089.57,2125.98
  L1 w15.75: v1@5000.98,2125.98 C380.1@5023.62,2125.98
  other v1: 5299.21,1968.5 5299.21,2000 4992.13,2224.41 5039.37,2224.41
3V3_DVDD: C368.1 C369.1 C370.1 C371.1 FB44.2 U42.6 U42.38 U42.67 | length 320.6
  L1 w11.81: U42.6@5255.91,1821.85 5255.91,1756.89 5275.59,1756.89 v2(5287.4,1768.7) ; U42.38@5697.83,2125.98 5736.22,2125.98 5744.09,2118.11 C369.1@5771.65,2118.11 v1(5795.28,2118.11)
  L12 w19.68: v1(5318.9,2523.62) FB44.2@5318.9,2496.06 ; C371.1@5320.87,2437.01 5318.9,2438.98 FB44.2@5318.9,2496.06 ; FB44.2@5320.87,2496.06 FB44.2@5320.87,2494.09 ; v1(5346.46,2496.06) 5322.83,2496.06 FB44.2@5320.87,2494.09 ; FB44.2@5318.9,2496.06 FB44.2@5320.87,2494.09
3V3_OVDD: C372.1 C373.1 C374.1 C375.1 C376.1 C377.1 FB45.2 U42.18 U42.29 U42.43 U42.57 U42.78 | length 486.2
  L1 w11.81: C376.1@5023.62,2326.77 5027.56,2322.83 U42.78@5089.57,2322.83 ; C375.1@5492.13,1763.78 U42.18@5492.13,1821.85 ; U42.57@5511.81,2430.12 C373.1@5511.81,2492.13 ; U42.29@5697.83,1948.82 C374.1@5766.73,1948.82 ; U42.43@5697.83,2224.41 5767.72,2224.41 C372.1@5771.65,2220.47 C372.1@5769.69,2220.47 ; C374.1@5773.62,1952.76 C374.1@5775.59,1952.76
  L1 w19.68: v1(5000,2326.77) C376.1@5023.62,2326.77 ; C375.1@5492.13,1763.78 v1(5515.75,1763.78) ; v1(5496.06,2539.37) 5511.81,2523.62 C373.1@5511.81,2492.13 ; C372.1@5771.65,2220.47 v2(5799.21,2220.47) ; C374.1@5775.59,1952.76 v2(5797.24,1952.76)
  other v1: 5562.99,2350.39 5531.5,2370.08
3V3_PVDD: C383.1 C384.1 FB47.2 U42.97 | length 213.7
  L1 w11.81: C383.1@4996.06,1940.94 5003.94,1948.82 U42.97@5089.57,1948.82
  L1 w19.68: FB47.2@4970.47,1834.65 C384.1@4970.47,1889.76 4970.47,1903.54 4996.06,1929.13 C383.1@4996.06,1940.94
5V_IN_CTRL: Q11.4 Q12.2 R506.2 | length 193
  L1 w7.87: v1(1050.98,1917.13) Q11.4@1094.49,1917.13
  L12 w7.87: Q12.2@940.94,1917.32 1050.79,1917.32 v1(1050.98,1917.13) R506.2@1090.35,1917.13
+0V75_DDR_VTT: C450.1 C451.1 C452.1 L14.2 TP35.1 U44.19 | length 70
  L1 w11.81: U44.19@3009.84,2151.57 3035.43,2151.57 v2(3039.37,2155.51)
  L12 w15.75: v2(3039.37,2155.51) 3053.15,2155.51 TP35.1@3070.87,2137.8
  other v2: 3177.17,1988.19 3208.66,1988.19
+1V1_NVCC_PLL_OUT: C164.1 C165.1 U1.E8 | length 103.8
  L1 w15.75: U1.E8@3007.87,1547.24 v2(3023.62,1531.5)
  L12 w11.81: v1(3055.12,1594.49) 3062.99,1586.61 3066.93,1582.68 C164.1@3087.99,1582.68
  L12 w15.75: v1(3055.12,1594.49) 3084.65,1624.02 C165.1@3084.65,1625.98
+1V1_VDDSOC_CAP: C60.1 C72.1 C125.1 C126.1 C127.1 C128.1 C129.1 C130.1 C131.1 C151.1 FB1.1 R12.1 R22.1 R39.1 U1.N12 U1.R10 U1.T10 U1.T13 U1.T14 U1.U10 U1.U13 U1.U14 | length 452.3
  L1 w15.75: U1.N12@2755.91,1421.26 v2(2771.65,1437.01)
  L12 w11.81: C127.1@2625.98,1490.75 2636.42,1490.75 v2(2645.67,1500) 2660.04,1500 C130.1@2665.35,1494.68 ; v2(2771.65,1437.01) 2783.46,1448.82 C151.1@2792.72,1448.82
  L12 w15.75: v2(2771.65,1625.98) 2791.34,1625.98 R22.1@2795.28,1622.05 ; R39.1@2929.13,1787.4 2935.04,1787.4 v2(2962.6,1814.96) 2972.44,1824.8 R12.1@2972.44,1838.58 3000.98,1867.13 3066.74,1867.13 C60.1@3066.93,1866.93 3066.93,1870.08 v1(3090.55,1893.7)
  L12 w19.68: C72.1@2866.14,1783.46 v1(2866.14,1811.02) ; FB1.1@3055.12,1781.5 3055.12,1805.12 3066.93,1816.93 C60.1@3066.93,1866.93
  other v1: 2645.67,1342.52 2645.67,1405.51
+1V2_ETH: FB2.2 FB3.1 FB4.1 FB5.1 R117.2 R118.1 TP9.1 | length 165.2
  L1 w11.81: v1(6527.56,850.39) 6519.69,858.27 FB2.2@6519.69,877.95 6519.69,897.64 v1(6527.56,905.51)
  L12 w7.87: v1(5842.52,830.71) 5842.52,838.58 TP9.1@5874.02,870.08
  L12 w19.68: v1(5842.52,830.71) FB5.1@5842.52,807.09 v1(5870.08,807.09)
  other v1: 6803.15,586.61 6814.96,618.11 5822.83,716.54 5822.83,748.03 5681.1,921.26 5665.35,948.82 5696.85,948.82
+1V2_ETH_AVDDL: C201.1 C202.1 C203.1 C204.1 FB4.2 U14.4 U14.9 | length 29.2
  L12 w19.68: v1(5637.8,669.29) 5641.73,665.35 C202.1@5641.73,641.73
+1V2_ETH_AVDDL_PLL: C205.1 C206.1 C207.1 FB5.2 U14.44 | length 77.4
  L1 w9.84: v1(5559.06,460.63) U14.44@5559.06,484.25
  L1 w15.75: v1(5511.81,444.88) 5519.69,452.76 5551.18,452.76 v1(5559.06,460.63)
  other v1: 5688.98,795.28 5688.98,826.77
+1V2_ETH_DVDDL: C193.1 C194.1 C195.1 C196.1 C197.1 C198.1 C199.1 C200.1 FB3.2 U14.14 U14.18 U14.23 U14.26 U14.30 U14.39 | length 291.9
  L1 w9.84: v1(5322.83,622.05) 5346.46,622.05 5344.49,624.02 5364.17,624.02 5369.68,629.53 U14.30@5394.09,629.53 ; U14.26@5394.09,708.27 5415.75,708.27 v1(5429.13,694.88) ; v1(5429.13,724.41) 5440.95,736.22 U14.23@5440.95,755.12 ; U14.39@5460.63,484.25 5460.63,464.57 v1@5464.57,460.63 ; U14.18@5539.37,755.12 v1(5539.37,779.53) ; U14.14@5618.11,755.12 5618.11,724.41 v1(5622.05,720.47)
  L12 w7.87: C195.1@5468.5,437.01 v1(5468.5,456.69)
  L12 w19.68: v1(5622.05,720.47) 5641.73,700.79 C196.1@5641.73,696.85
  other v1: 5478.35,716.54
+1V2_PMIC: C419.1 R118.2 TP27.1 U44.18 | length 218.5
  L1 w11.81: v2(2964.57,2114.17) 2982.28,2131.89 U44.18@3009.84,2131.89
  L12 w11.81: v2(2964.57,2114.17) 2992.13,2114.17 C419.1@3015.75,2137.8
  L12 w15.75: C419.1@3015.75,2137.8 3015.75,2169.29 3031.5,2185.04 TP27.1@3082.68,2185.04
  other v1: 6826.77,543.31 6858.27,543.31
+1V2_REG: C191.1 C192.1 R117.1 U15.7 U15.8 U15.10 U15.15
+1V2_VDD_ARM_CAP: C110.1 C111.1 C112.1 C113.1 C114.1 C120.1 C121.1 C122.1 C123.1 C124.1 U1.H11 U1.H13 U1.J11 U1.J13 U1.K11 U1.K13 U1.L11 U1.L13 U1.M11 U1.M13 U1.N11 U1.N13 U1.P11 U1.P13 U1.R11 U1.R13 | length 58.4
  L12 w11.81: C112.1@2688.98,1426.57 2688.98,1425.2 v2(2708.66,1405.51) ; v2(2771.65,1405.51) 2791.34,1425.2 C113.1@2792.72,1425.2
  other v2: 2834.65,1405.51 2897.64,1405.51 2708.66,1468.5 2771.65,1468.5 2834.65,1468.5 2897.64,1468.5
+1V5_DDR: C10.1 C11.1 C12.1 C13.1 C14.1 C15.1 C16.1 C17.1 C19.1 C20.1 C21.1 C22.1 C23.1 C24.1 C25.1 C26.1 C27.1 C28.1 C29.1 C30.1 C31.1 C32.1 C33.1 C34.1 C35.1 C36.1 C37.1 C38.1 C39.1 C40.1 C41.1 C42.1 C43.1 C44.1 C45.1 C46.1 C47.1 C48.1 C49.1 C50.1 C51.1 C52.1 C53.1 C54.1 C55.1 C56.1 C57.1 C58.1 C171.1 C172.1 C173.1 C174.1 C175.1 C176.1 C180.1 C181.1 C182.1 C183.1 C184.1 C185.1 C186.1 C425.1 C426.1 C443.1 C444.1 C445.1 C446.1 FB9.2 FB17.1 L12.2 R8.2 R90.2 TP33.1 U1.R18 U1.T18 U1.U18 U1.V9 U1.V10 U1.V11 U1.V12 U1.V13 U1.V14 U1.V15 U1.V16 U1.V17 U1.V18 U2.A1 U2.A8 U2.B2 U2.C1 U2.C9 U2.D2 U2.D9 U2.E9 U2.F1 U2.G7 U2.H2 U2.H9 U2.K2 U2.K8 U2.N1 U2.N9 U2.R1 U2.R9 U3.A1 U3.A8 U3.B2 U3.C1 U3.C9 U3.D2 U3.D9 U3.E9 U3.F1 U3.G7 U3.H2 U3.H9 U3.K2 U3.K8 U3.N1 U3.N9 U3.R1 U3.R9 U4.A1 U4.A8 U4.B2 U4.C1 U4.C9 U4.D2 U4.D9 U4.E9 U4.F1 U4.G7 U4.H2 U4.H9 U4.K2 U4.K8 U4.N1 U4.N9 U4.R1 U4.R9 U5.A1 U5.A8 U5.B2 U5.C1 U5.C9 U5.D2 U5.D9 U5.E9 U5.F1 U5.G7 U5.H2 U5.H9 U5.K2 U5.K8 U5.N1 U5.N9 U5.R1 U5.R9 U44.30 U44.38 | length 3384.5
  L1 w11.81: v2(1610.24,814.96) U4.R9@1625.98,830.71 ; v2(1610.24,1098.43) U4.R1@1625.98,1082.68 ; v2(1610.24,1681.1) U2.R9@1625.98,1696.85 ; v2(1610.24,1964.57) U2.R1@1625.98,1948.82 ; v2(1673.23,814.96) U4.N9@1688.98,830.71 ; v2(1673.23,1098.43) U4.N1@1688.98,1082.68 ; v2(1673.23,1681.1) U2.N9@1688.98,1696.85 ; v2(1673.23,1964.57) U2.N1@1688.98,1948.82 ; v2(1767.72,846.46) U4.K8@1783.46,862.2 ; v2(1767.72,1066.93) U4.K2@1783.46,1051.18 ; v2(1767.72,1712.6) U2.K8@1783.46,1728.35 ; v2(1767.72,1933.07) U2.K2@1783.46,1917.32 ; U4.H9@1846.46,830.71 v2(1862.2,846.46) ; U4.H2@1846.46,1051.18 v2(1862.2,1066.93) ; U2.H9@1846.46,1696.85 v2(1862.2,1712.6) ; U2.H2@1846.46,1917.32 v2(1862.2,1933.07) ; v2(1862.2,909.45) U4.G7@1877.95,893.7 ; v2(1862.2,1775.59) U2.G7@1877.95,1759.84 ; U4.F1@1909.45,1082.68 v2(1925.2,1098.43) ; U2.F1@1909.45,1948.82 v2(1925.2,1964.57) ; U4.E9@1940.94,830.71 v2(1956.69,814.96) ; U2.E9@1940.94,1696.85 v2(1956.69,1681.1) ; U4.D9@1972.44,830.71 v2(1988.19,814.96) ; U4.D2@1972.44,1051.18 v2(1988.19,1066.93) ; U2.D9@1972.44,1696.85 v2(1988.19,1681.1) ; U2.D2@1972.44,1917.32 v2(1988.19,1933.07) ; U4.C9@2003.94,830.71 v2(2019.68,814.96) ; U4.C1@2003.94,1082.68 v2(2019.68,1098.43) ; U2.C9@2003.94,1696.85 v2(2019.68,1681.1) ; U2.C1@2003.94,1948.82 v2(2019.68,1964.57) ; U4.B2@2035.43,1051.18 v2(2051.18,1066.93) ; U2.B2@2035.43,1917.32 v2(2051.18,1933.07) ; U4.A8@2066.93,862.2 v2(2082.68,846.46) ; U4.A1@2066.93,1082.68 v2(2082.68,1098.43) ; U2.A8@2066.93,1728.35 v2(2082.68,1712.6) ; U2.A1@2066.93,1948.82 v2(2082.68,1964.57) ; v2(2783.46,2393.7) 2788.51,2393.7 2805.12,2377.1 U44.38@2805.12,2356.3 ; U44.30@2962.6,2356.3 2962.6,2383.86 2976.38,2397.64 C425.1@2976.38,2456.69 2976.38,2452.76 v1(2996.06,2433.07)
  L1 w15.75: v2(1486.22,783.46) C15.1@1513.78,783.46 ; v2(1486.22,1996.06) C12.1@1513.78,1996.06 ; C39.1@1519.69,1098.43 v2(1547.24,1098.43) ; v2(1543.31,2027.56) C32.1@1543.31,2055.12 ; C22.1@1547.24,724.41 v2(1547.24,751.97) ; C30.1@1629.92,1590.55 v2(1629.92,1618.11) ; v2(1629.92,2027.56) C33.1@1629.92,2055.12 ; C27.1@1633.86,724.41 v2(1633.86,751.97) ; v2(1633.86,1161.42) C26.1@1633.86,1188.98 ; C31.1@1716.54,1590.55 v2(1716.54,1618.11) ; v2(1716.54,2027.56) C34.1@1716.54,2055.12 ; C28.1@1720.47,724.41 v2(1720.47,751.97) ; v2(1720.47,1161.42) C19.1@1720.47,1188.98 ; v2(1755.91,1220.47) 1755.91,1200.79 C20.1@1767.72,1188.98 ; v2(1937.01,2027.56) C38.1@1937.01,2055.12 ; C25.1@1940.95,724.41 v2(1940.95,751.97) ; v2(2023.62,2027.56) C37.1@2023.62,2055.12 ; C24.1@2027.56,724.41 v2(2027.56,751.97) ; v2(2027.56,1161.42) C21.1@2027.56,1188.98 ; C29.1@2027.56,1590.55 v2(2027.56,1618.11) ; v2(2110.24,2027.56) C36.1@2110.24,2055.12 ; C23.1@2114.17,724.41 v2(2114.17,751.97) ; C16.1@2145.67,840.55 v2(2173.23,840.55) ; C13.1@2145.67,1938.98 v2(2173.23,1938.98) ; C17.1@2149.61,1096.46 v2(2149.61,1122.05) ; C14.1@2149.61,1675.2 2177.17,1675.2
  L1 w19.68: v1(354.33,618.11) FB17.1@354.33,645.67
  L6 (PWR) w11.81: v2(1988.19,846.46) v2(2019.68,814.96)
  L8 (PWR) w11.81: v2(1956.69,814.96) v2(1988.19,814.96) v2(1988.19,846.46)
  L12 w7.87: 1862.2,1035.43 v2(1862.2,1066.93) ; v2(1862.2,1933.07) 1862.2,1901.57 1863.19,1900.59 ; FB9.2@6700.79,1222.44 FB9.2@6702,1221.23
  L12 w11.81: v2(1610.24,814.96) U5.R1@1625.98,830.71 ; v2(1610.24,1098.43) U5.R9@1625.98,1082.68 ; v2(1610.24,1681.1) U3.R1@1625.98,1696.85 ; v2(1610.24,1964.57) U3.R9@1625.98,1948.82 ; v2(1673.23,814.96) U5.N1@1688.98,830.71 ; v2(1673.23,1098.43) U5.N9@1688.98,1082.68 ; v2(1673.23,1681.1) U3.N1@1688.98,1696.85 ; v2(1673.23,1964.57) U3.N9@1688.98,1948.82 ; v2(1767.72,846.46) U5.K2@1783.46,862.2 ; v2(1767.72,1066.93) U5.K8@1783.46,1051.18 ; v2@1767.72,1712.6 U3.K2@1783.46,1728.35 ; v2(1767.72,1933.07) U3.K8@1783.46,1917.32 ; U5.H2@1846.46,862.2 v2(1862.2,846.46) ; U5.H9@1846.46,1082.68 v2(1862.2,1098.43) ; U3.H2@1846.46,1728.35 v2(1862.2,1712.6) ; U3.H9@1846.46,1948.82 v2(1862.2,1964.57) ; 1862.2,1035.43 U5.G7@1877.95,1019.69 ; 1863.19,1900.59 U3.G7@1877.95,1885.83 ; v2(1893.7,814.96) U5.F1@1909.45,830.71 ; v2(1893.7,1681.1) U3.F1@1909.45,1696.85 ; v2(1925.2,1098.43) U5.E9@1940.94,1082.68 ; v2(1925.2,1964.57) U3.E9@1940.94,1948.82 ; U5.D2@1972.44,862.2 v2(1988.19,846.46) ; U5.D9@1972.44,1082.68 v2(1988.19,1098.43) ; U3.D2@1972.44,1728.35 v2(1988.19,1712.6) ; U3.D9@1972.44,1948.82 v2(1988.19,1964.57) ; v2(1988.19,814.96) U5.C1@2003.94,830.71 ; v2(1988.19,1681.1) U3.C1@2003.94,1696.85 ; U5.C9@2003.94,1082.68 v2(2019.68,1098.43) ; U3.C9@2003.94,1948.82 v2(2019.68,1964.57) ; v2(2019.68,814.96) 2018.7,815.94 2018.7,845.47 U5.B2@2035.43,862.2 ; v2(2019.68,1681.1) 2018.7,1682.09 2018.7,1711.61 U3.B2@2035.43,1728.35 ; v2(2051.18,1066.93) U5.A8@2066.93,1051.18 ; v2(2051.18,1933.07) U3.A8@2066.93,1917.32 ; U5.A1@2066.93,830.71 v2(2082.68,846.46) ; U3.A1@2066.93,1696.85 v2(2082.68,1712.6)